# Altium PCB R100.230.040.000-00 Filtr2.PcbDoc (part 2 of 2)
Units mm, origin at the board's own origin, x right, y up, seen from the top; angles counter-clockwise.
Board outline 335 x 340 mm, 2 copper layers (Top, Bottom); 150 components, 79 nets, 411 pads, 1525 vias.
Unrouted connection lines stored in the file: 5.
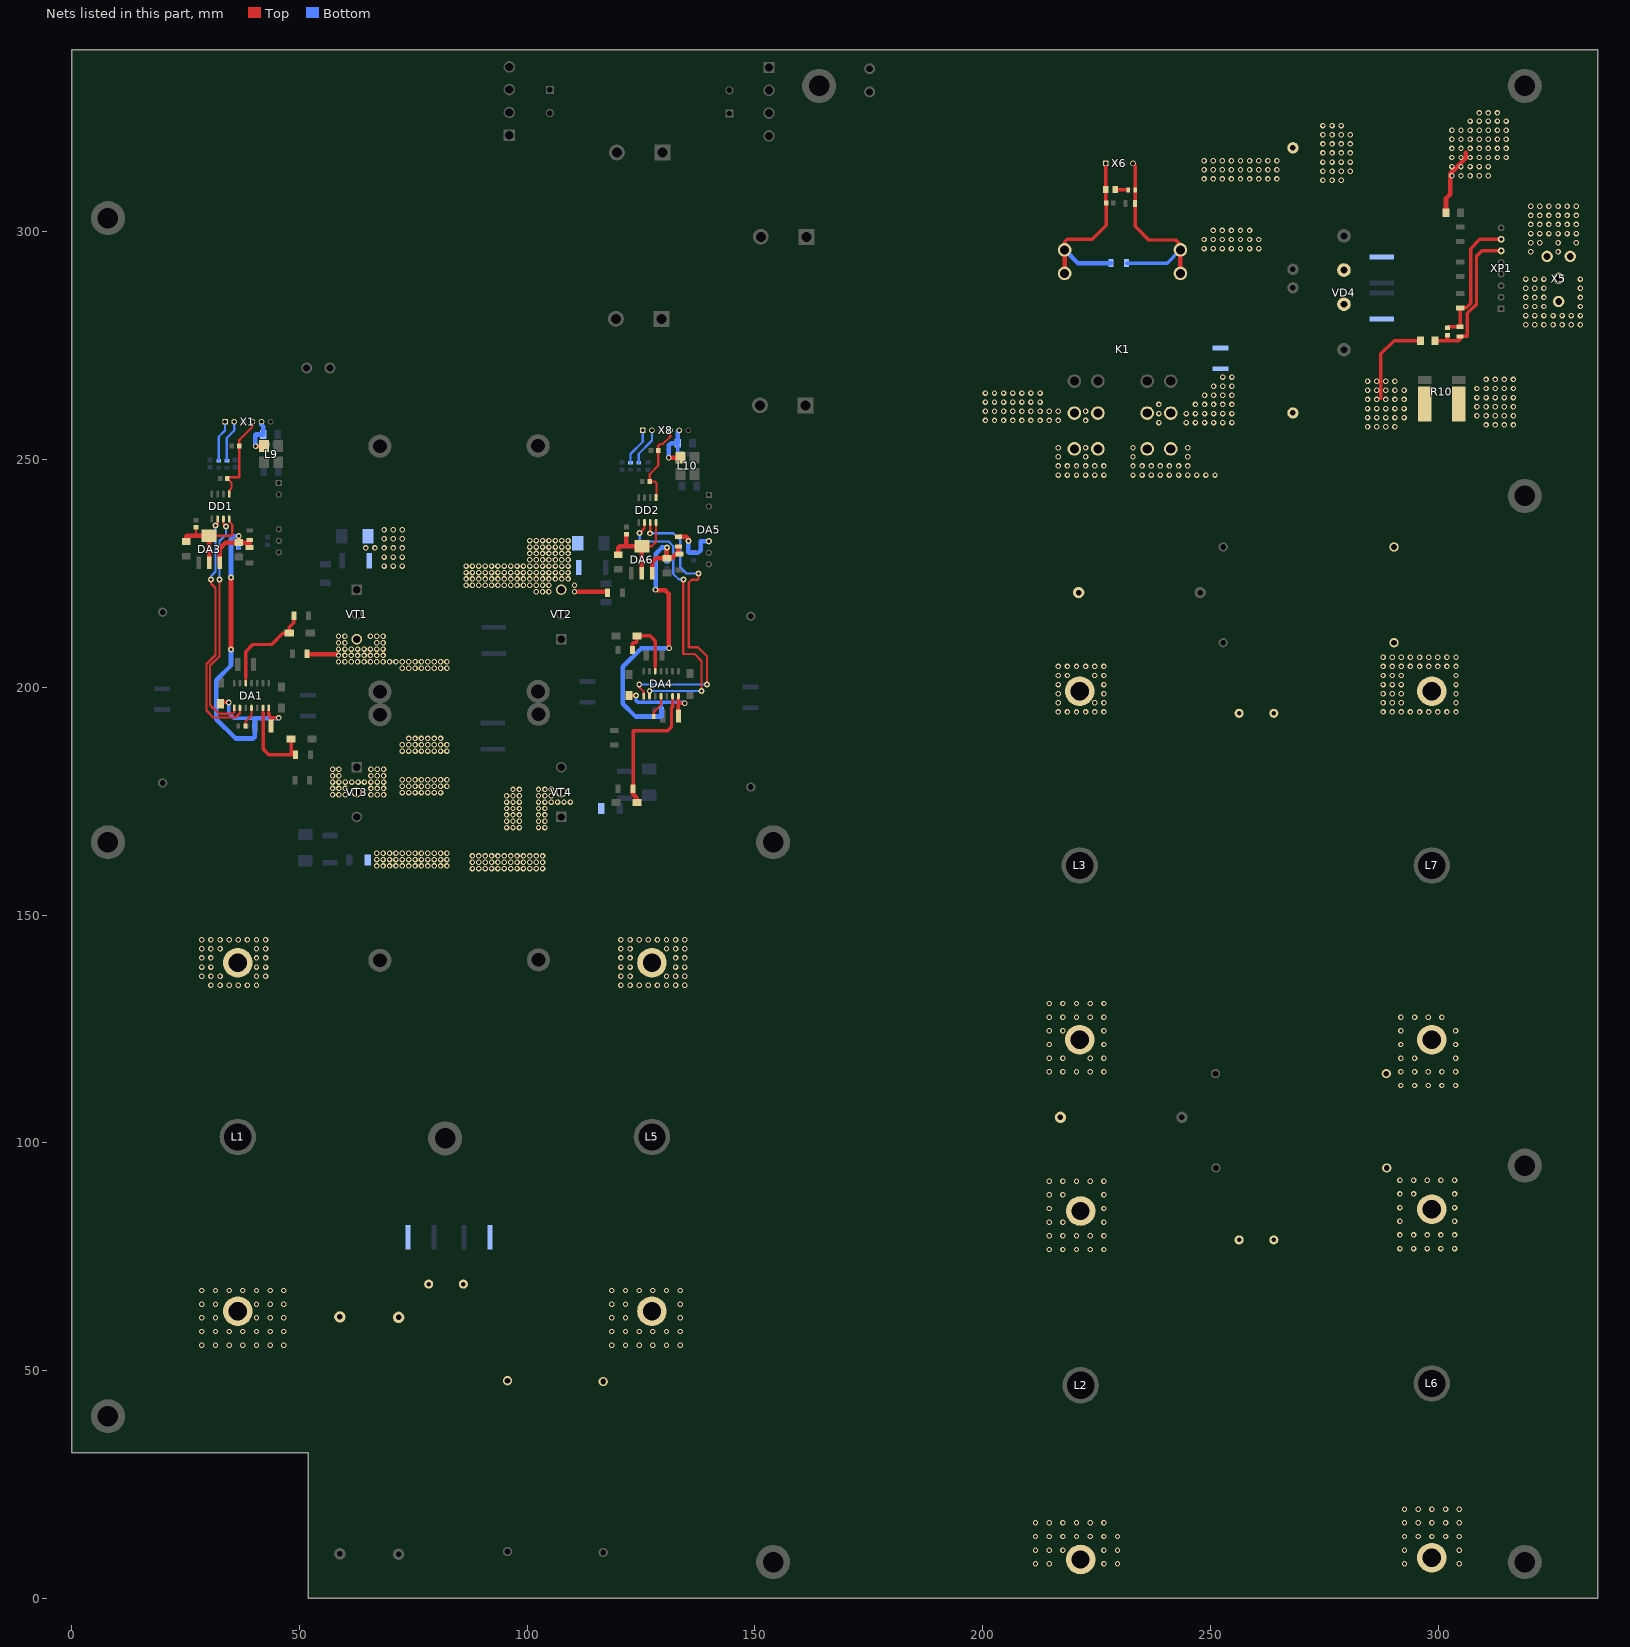
[diagram p2: the nets of this part, all layers, seen from the top]

## Via types
v1: diameter 1.2, hole 0.7, Top to Bottom, 1351 vias
v2: diameter 1.2/1.2 (per signal layer), hole 0.7, Top to Bottom, 133 vias
v3: diameter 1.27, hole 0.7, Top to Bottom, 40 vias
v4: diameter 3, hole 1.5, Top to Bottom, 1 vias

## Nets (pads, with @x,y where several pads share a name; then routed paths per layer and width w, separated by ;. In a path a pad name is that pad's centre, name@x,y a point inside that pad or via, vN(x,y) a via of type N, cw(c..) or ccw(c..) an arc to the next point about the centre after c; other vN are vias at no path point) (continued)
NetC58_2: C58.2 DA5.5 R29.1 | length 12.4
  Top w1: R29.1@133.2,233.05 134.95,233.05 135.4,232.6 v3(135.4,232.1)
  Bottom w1: v3(135.4,232.1) 135.4,229.7 135.6,229.5 C58.2@136.5,229.5 137.5,229.5 138.1,230.1 138.1,232.1 139.7,232.1 139.9,231.9 DA5.5@139.9,232.08
NetDA1_1: DA1.1 DD1.7 | length 49.7
  Top w0.5: 32.5,207 v3(32.5,223.7) ; 32.5,207 32.4,206.9 32.4,206.769 30.4,204.769 30.4,196.147 32.347,194.2 35.38,194.2 35.69,194.51 DA1.1@35.69,195.475 ; DD1.7@33.335,236.975 33.335,235.865 v3(33.9,235.3)
  Bottom w0.5: v3(32.5,223.7) 32.5,232.1 33.9,233.5 v3(33.9,235.3)
NetDA1_2: DA1.2 DD1.6 | length 53.5
  Top w0.5: v3(30.6,223.7) 30.6,222.8 31.6,221.8 31.6,207.1 29.6,205.1 29.6,194.9 31.1,193.4 36,193.4 36.96,194.36 DA1.2@36.96,195.475 ; v3(31.6,235.535) 32.065,236 DD1.6@32.065,236.975
  Bottom w0.5: v3(30.6,223.7) 30.6,224.4 31.6,225.4 v3(31.6,235.535) v3@31.665,235.535
NetDA1_4: DA1.4 R22.2 | length 4.5
  Top w0.5: R22.2@38.175,191.5 38.175,192.467 39.5,193.792 DA1.4@39.5,195.475
NetDA1_6: DA1.6 R23.1 VD13.2 | length 20.2
  Top w0.5: 42.04,194.46 DA1.6@42.04,195.475
  Top w0.75: 42.04,194.46 42.04,186.46 43.3,185.2 48.2,185.2 ; VD13.2@48.2,188.7 48.2,185.2 ; R23.1@49.2,185.2 48.2,185.2
NetDA1_12: DA1.12 R19.1 VD10.2 | length 22.4
  Top w0.5: DA1.12@38.23,200.925 38.23,202.17
  Top w0.75: 38.23,202.17 38.23,207.83 39.8,209.4 43.9,209.4 46.4,211.9 VD10.2@47.8,211.9 47.8,213.2 48.8,214.2 R19.1@48.8,215.7
NetDA4_1: DA4.1 DD2.7 | length 66.8
  Top w0.5: v3(124.6,200.6) 124.6,200 125.59,199.01 DA4.1@125.59,198.075 ; v3(127,233.8) 127.035,233.835 DD2.7@127.035,236.175 ; v3(137.6,225) 137.6,223.8 137.4,223.6 136.1,223.6 135.5,223 135.5,208.8 137.5,208.8 139.5,206.8 v3(139.5,200.6)
  Bottom w0.5: v3(124.6,200.6) v3(139.5,200.6) ; v3(127,233.8) 132.1,233.8 133.6,232.3 133.6,226.4 135,225 v3(137.6,225)
NetDA4_2: DA4.2 DD2.6 | length 61.2
  Top w0.5: v3(124.7,233.9) 125.765,234.965 DD2.6@125.765,236.175 ; DA4.2@126.86,198.075 126.9,198.115 v3(126.9,199.2) ; v3@134.3,223.8 v3(134.3,223.7) 134.3,207.3 136.8,207.3 138.3,205.8 v3(138.3,199.2)
  Bottom w0.5: v3(124.7,233.9) 124.7,232.5 125.2,232 131.076,232 132.1,230.976 132.1,224.9 133.3,223.7 v3(134.3,223.7) ; v3(126.9,199.2) v3(138.3,199.2)
NetDA4_4: DA4.4 R30.2 | length 5.1
  Top w0.5: R30.2@127.775,193.6 127.775,194.575 129.4,196.2 DA4.4@129.4,198.075
NetDA4_6: DA4.6 R31.1 VD18.2 | length 31.8
  Top w0.5: 131.94,196.84 DA4.6@131.94,198.075
  Top w0.75: R31.1@123.3,177.7 123.3,190.5 130.9,190.5 131.7,191.3 131.7,195.5 131.94,195.74 131.94,196.84
  Top w1: R31.1@123.2,177.7 123.2,176.6 124.1,175.7 VD18.2@124.1,174.7
NetDA4_12: DA4.12 R27.1 VD15.2 | length 15
  Top w0.5: DA4.12@128.13,203.525 128.13,204.57
  Top w0.75: R27.1@123.1,208.2 123.1,209.6 123.3,209.8 123.9,209.8 124.1,210 VD15.2@124.1,211.3 127,211.3 128.13,210.17 128.13,204.57
NetR10_3: R10.3 X5.3 X5.4
  other v1: 310.5,257.6 312.5,257.6 314.5,257.6 316.5,257.6 308.5,259.6 310.5,259.6 312.5,259.6 314.5,259.6 316.5,259.6 308.5,261.6 310.5,261.6 312.5,261.6 314.5,261.6 316.5,261.6 308.5,263.6 310.5,263.6 312.5,263.6 314.5,263.6 316.5,263.6 308.5,265.6 310.5,265.6 312.5,265.6 314.5,265.6 316.5,265.6 310.5,267.6 312.5,267.6 314.5,267.6 316.5,267.6 319.2,279.6 321.2,279.6 323.2,279.6 325.2,279.6 327.2,279.6 329.2,279.6 331.2,279.6 319.2,281.6 321.2,281.6 323.2,281.6 325.2,281.6 327.2,281.6 329.2,281.6 331.2,281.6 319.2,283.6 321.2,283.6 323.2,283.6 331.2,283.6 319.2,285.6 321.2,285.6 323.2,285.6 331.2,285.6 319.2,287.6 321.2,287.6 323.2,287.6 331.2,287.6 319.2,289.6 321.2,289.6 323.2,289.6 331.2,289.6
NetR15_2: R15.2 VD8.2 | length 2.5
  Top w0.75: VD8.2@229.341,309.3 229.441,309.2 R15.2@231.8,309.2
PWM_1: R17.1 X1.2 | length 9.2
  Bottom w0.5: R17.1@34.1,249.775 34.05,249.825 34.05,254.75 35.7,256.4 X1.2@35.7,258.3
PWM_2: R25.1 X8.2 | length 8.3
  Bottom w0.5: R25.1@124.5,249.275 124.5,251.3 127.4,254.2 X8.2@127.4,256.4
SD_1: R18.1 X1.1 | length 9.1
  Bottom w0.5: R18.1@32.3,249.775 32.3,255 33.7,256.4 X1.1@33.7,258.3
SD_2: R26.1 X8.1 | length 8.2
  Bottom w0.5: R26.1@122.7,249.275 122.7,251.2 125.4,253.9 X8.1@125.4,256.4
SW_REL_COM: K1.0 K1.10 R15.1 R16.1 VD9.1 X6.4 | length 44.9
  Top w0.75: X6.4@233,315 233.5,314.5 R15.1@233.5,309.35 ; R15.1@233.475,309.2 233.475,306.225 R16.1@233.45,306.2 233.45,301.25 236.5,298.2 242.4,298.2 243.4,297.2 K1.0@243.4,296.03 ; 243.3,293.4 243.4,293.3
  Top w1: K1.10@243.4,290.87 243.4,293.3 K1.0@243.4,296.03
  Bottom w0.75: VD9.1@231.625,293.1 240.47,293.1 K1.0@243.4,296.03
SW_REL_PLUS: C32.2 K1.1 K1.11 VD8.1 VD9.2 X6.1 | length 42.6
  Top w0.75: K1.1@218,296.03 218,297.8 218.6,298.4 224.1,298.4 227.1,301.4 C32.2@227.1,306.3 227.059,306.341 VD8.1@227.059,309.3 ; X6.1@227,315 227,309.558 VD8.1@227.259,309.3
  Top w1: K1.11@218,290.87 K1.1@218,296.03
  Bottom w1: K1.1@218,296.03 220.93,293.1 VD9.2@228.175,293.1
U_U+: C31.2 R13.1 R14.2 XP1.7 | length 29.3
  Top w0.75: C31.2@302,278.9 302.25,279.15 R14.2@304.8,279.15 R13.1@304.8,283.3 306.115,283.3 307.1,284.285 307.1,296.3 309.14,298.34 XP1.7@313.8,298.34
U_U-: C31.1 L8.2 R14.1 XP1.6 | length 33.3
  Top w0.75: L8.2@299.3,276.1 302,276.1 ; C31.1@302,277.3 302,276.1 ; XP1.6@313.8,295.8 309.6,295.8 308.4,294.6 308.4,284.1 306.4,282.1 306.4,277.05 R14.1@304.8,277.05 304.8,276.4 304.5,276.1 302,276.1
V5_C1: C39.2 C62.1 DD1.1 X1.4 | length 20.3
  Top w0.5: DD1.1@34.605,242.425 34.605,243.205 35.1,243.7 35.1,244.9 C39.2@34.2,245.8 34.2,246.1 36.8,246.1 C62.1@36.8,253 36.8,254.3 39.7,257.2 X1.4@39.7,258.3
V5_C2: C53.2 C63.1 DD2.1 X8.4 | length 18.3
  Top w0.5: DD2.1@128.305,241.625 128.385,241.705 128.385,244.815 128,245.2 C53.2@126.9,245.2 126.9,246.8 128.8,248.7 C63.1@128.8,252 128.8,253 129.2,253.4 129.8,253.4 131.4,255 X8.4@131.4,256.4
V5_DR_1: C37.2 C46.2 DA3.2 DA3.4 DD1.8 | length 23.1
  Top w0.5: C37.2@27.3,235.1 27.3,233.35 27.4,233.25 ; DA3.4@30.2,233.25 35.25,233.25 35.3,233.3 35.3,235.7 34.605,236.395 DD1.8@34.605,236.975
  Top w1: C46.2@25.2,232 25.2,233.2 25.25,233.25 27.4,233.25 DA3.4@30.2,233.25 DA3.2@30.2,227.35
V5_DR_2: C51.2 C60.2 DA6.2 DA6.4 DD2.8 | length 23.2
  Top w0.5: DA6.4@125.2,230.95 127.35,230.95 128.305,231.905 DD2.8@128.305,236.175
  Top w1: C60.2@120,229.1 120,230.6 120.35,230.95 121.7,230.95 ; C51.2@121.8,233.6 121.8,231.05 121.7,230.95 ; DA6.2@125.2,225.05 DA6.4@125.2,230.95 121.7,230.95
V12_C1: C40.2 C41.2 L9.1 X1.5 | length 11.9
  Top w1: v1(40.4,252.9) 42.103,252.9 42.203,253 L9.1@42.225,252.978
  Bottom w0.5: v1(40.4,252.9) 40.8,253.3 C41.2@42.9,253.3
  Bottom w1: v1(40.4,252.9) 40.3,253 40.3,255.4 40.4,255.5 C40.2@42.1,255.5 42.1,257.2 41.7,257.6 X1.5@41.7,258.3
V12_C2: C54.2 C57.2 L10.1 X8.5 | length 13.5
  Top w1: v3(131.1,250.4) 133.603,250.4 L10.1@133.625,250.378
  Bottom w0.75: C54.2@133.1,253.6 133.1,251.3 133.2,251.2 C57.2@133.9,251.2
  Bottom w1: v3(131.1,250.4) 131.1,253.1 131.6,253.6 C54.2@133.1,253.6 133.1,256.1 X8.5@133.4,256.4
V15_DR_1: C38.1 C43.2 C45.1 C47.2 DA1.7 DA3.3 R21.2 VD11.1 VD14.2 | length 94.8
  Top w0.5: 43.31,194.41 DA1.7@43.31,195.475
  Top w0.75: VD11.1@32.7,196.4 33,196.7 v3(34.5,196.7) ; 43.31,194.41 43.31,193.89 43.765,193.435 ; C45.1@43.765,191.5 43.765,193.435 ; v3(45.5,193.3) 43.9,193.3 43.765,193.435
  Top w1: DA3.3@32.5,227.35 32.5,230.4 33.8,231.7 36.45,231.7 36.525,231.625 C43.2@36.7,231.8 ; v3(35,208.3) v3(35,224.1) ; v3(36.7,233.2) C43.2@36.7,231.8 ; VD14.2@39.1,230.725 39.1,231.7 ; R21.2@39.1,232.35 39.1,231.7 ; C43.2@36.7,231.8 36.8,231.7 39.1,231.7
  Bottom w0.75: v3(34.5,196.7) 34.5,194.3 35.6,193.2 40.2,193.2
  Bottom w1: v3(35,208.3) 35,204.8 31.765,201.565 31.765,193.006 36.006,188.765 39.865,188.765 40.2,189.1 C38.1@40.2,191.5 40.2,193.2 45.4,193.2 v3(45.5,193.3) ; v3(35,224.1) 35,232.6 35.6,233.2 v3(36.7,233.2) C47.2@36.7,230.8
V15_DR_2: C52.1 C56.2 C59.1 C61.2 DA4.7 DA6.3 R29.2 VD16.1 VD19.2 | length 94.5
  Top w0.5: 133.21,197.31 DA4.7@133.21,198.075
  Top w0.75: VD16.1@122.4,198.2 v3(123.9,198.2) ; 133.21,197.31 133.21,196.5 ; C59.1@133.225,193.7 133.21,193.715 133.21,196.5 ; v3(134.6,196.5) 133.21,196.5
  Top w1: DA6.3@127.5,225.05 127.5,227.5 128.3,228.3 C56.2@130.7,228.3 ; v3(128.2,221.4) 128.3,221.3 130.3,221.3 131.1,220.5 131.1,208.699 v3(131.2,208.6) ; v3(130.7,230.7) C56.2@130.7,228.3 ; R29.2@133.2,230.95 133.2,229.425 VD19.2@133.4,229.225 132.625,229.225 131.7,228.3 C56.2@130.7,228.3
  Bottom w0.75: v3(123.9,198.2) 123.9,197.1 124.3,196.7 129.5,196.7 ; C52.1@129.5,195.1 129.5,196.7 ; v3(134.6,196.5) 134.4,196.7 129.5,196.7
  Bottom w1: v3(128.2,221.4) 128.2,229.3 129.6,230.7 v3(130.7,230.7) C61.2@130.7,227.7 ; C52.1@129.5,195.1 129.5,193.7 129.4,193.6 123.8,193.6 121,196.4 121,204.5 125.1,208.6 v3(131.2,208.6)
VOUT+: C6.2 C10.1 K1.8 K1.81 L4.1 R7.2 VD4.3 X5.1 X5.2 | length 14.9
  Top w1: L4.1@301.7,304.2 301.7,307.3 302.675,308.275 302.675,312.775 306,316.1 306,317.3
  other v1: 200.6,258.6 202.6,258.6 204.6,258.6 206.6,258.6 208.6,258.6 210.6,258.6 212.6,258.6 214.6,258.6 216.6,258.6 222.6,258.6 200.6,260.6 202.6,260.6 204.6,260.6 206.6,260.6 208.6,260.6 210.6,260.6 212.6,260.6 214.6,260.6 216.6,260.6 222.6,260.6 200.6,262.6 202.6,262.6 204.6,262.6 206.6,262.6 208.6,262.6 210.6,262.6 212.6,262.6 200.6,264.6 202.6,264.6 204.6,264.6 206.6,264.6 208.6,264.6 210.6,264.6 212.6,264.6 320.3,295.6 326.3,295.6 248.6,296.3 250.6,296.3 252.6,296.3 254.6,296.3 256.6,296.3 258.6,296.3 260.6,296.3 320.3,297.6 322.3,297.6 326.3,297.6 330.3,297.6 248.6,298.3 250.6,298.3 252.6,298.3 254.6,298.3 256.6,298.3 258.6,298.3 260.6,298.3 320.3,299.6 322.3,299.6 324.3,299.6 326.3,299.6 328.3,299.6 330.3,299.6 250.6,300.3 252.6,300.3 254.6,300.3 256.6,300.3 258.6,300.3 320.3,301.6 322.3,301.6 324.3,301.6 326.3,301.6 328.3,301.6 330.3,301.6 320.3,303.6 322.3,303.6 324.3,303.6 326.3,303.6 328.3,303.6 330.3,303.6 320.3,305.6 322.3,305.6 324.3,305.6 326.3,305.6 328.3,305.6 330.3,305.6 274.7,311.3 276.7,311.3 278.7,311.3 248.6,311.6 250.6,311.6 252.6,311.6 254.6,311.6 256.6,311.6 258.6,311.6 260.6,311.6 262.6,311.6 264.6,311.6 303,312.3 305,312.3 307,312.3 309,312.3 311,312.3 274.7,313.3 276.7,313.3 278.7,313.3 280.7,313.3 248.6,313.6 250.6,313.6 252.6,313.6 254.6,313.6 256.6,313.6 258.6,313.6 260.6,313.6 262.6,313.6 264.6,313.6 303,314.3 305,314.3 307,314.3 309,314.3 311,314.3 274.7,315.3 276.7,315.3 278.7,315.3 280.7,315.3 248.6,315.6 250.6,315.6 252.6,315.6 254.6,315.6 256.6,315.6 258.6,315.6 260.6,315.6 262.6,315.6 264.6,315.6 303,316.3 305,316.3 307,316.3 309,316.3 311,316.3 313,316.3 314.9,316.3 274.7,317.3 276.7,317.3 278.7,317.3 280.7,317.3 303,318.3 305,318.3 307,318.3 309,318.3 311,318.3 313,318.3 314.9,318.3 274.7,319.3 276.7,319.3 278.7,319.3 280.7,319.3 303,320.3 305,320.3 307,320.3 309,320.3 311,320.3 313,320.3 314.9,320.3 274.7,321.3 276.7,321.3 278.7,321.3 280.7,321.3 303,322.3 305,322.3 307,322.3 309,322.3 311,322.3 313,322.3 314.9,322.3 274.7,323.3 276.7,323.3 278.7,323.3 307,324.3 309,324.3 311,324.3 313,324.3 314.9,324.3 309,326.1 311,326.1 313,326.1
VOUT+_1: C9.2 K1.6 K1.61 L3.2 R6.2
  other v1: 216.6,194.6 218.6,194.6 220.6,194.6 222.6,194.6 224.6,194.6 226.6,194.6 216.6,196.6 224.6,196.6 226.6,196.6 216.6,198.6 226.6,198.6 216.6,200.6 226.6,200.6 216.6,202.6 218.6,202.6 224.6,202.6 226.6,202.6 216.6,204.6 218.6,204.6 220.6,204.6 222.6,204.6 224.6,204.6 226.6,204.6 216.6,246.6 218.6,246.6 220.6,246.6 222.6,246.6 224.6,246.6 226.6,246.6 216.6,248.6 218.6,248.6 220.6,248.6 222.6,248.6 224.6,248.6 226.6,248.6 216.6,250.6 222.6,250.6 216.6,252.6 222.6,252.6
VOUT+_2: C8.2 L2.2 L3.1 R5.2
  other v1: 214.6,76.6 217.6,76.6 220.6,76.6 223.6,76.6 226.6,76.6 214.6,79.6 217.6,79.6 220.6,79.6 223.6,79.6 226.6,79.6 214.6,82.6 217.6,82.6 226.6,82.6 214.6,85.6 226.6,85.6 214.6,88.6 217.6,88.6 226.6,88.6 214.6,91.6 217.6,91.6 220.6,91.6 223.6,91.6 226.6,91.6 214.6,115.6 217.6,115.6 220.6,115.6 223.6,115.6 226.6,115.6 214.6,118.6 217.6,118.6 223.6,118.6 226.6,118.6 214.6,121.6 226.6,121.6 214.6,124.6 217.6,124.6 226.6,124.6 214.6,127.6 217.6,127.6 220.6,127.6 223.6,127.6 226.6,127.6 214.6,130.6 217.6,130.6 220.6,130.6 223.6,130.6 226.6,130.6
VOUT+_3: C5.2 C7.2 L1.2 L2.1 R1.2 R4.2
  other v1: 211.6,7.6 214.6,7.6 226.6,7.6 229.6,7.6 211.6,10.6 214.6,10.6 217.6,10.6 226.6,10.6 229.6,10.6 211.6,13.6 214.6,13.6 217.6,13.6 220.6,13.6 223.6,13.6 226.6,13.6 229.6,13.6 211.6,16.6 214.6,16.6 217.6,16.6 220.6,16.6 223.6,16.6 226.6,16.6 28.6,55.6 31.6,55.6 34.6,55.6 37.6,55.6 40.6,55.6 43.6,55.6 46.6,55.6 28.6,58.6 31.6,58.6 34.6,58.6 37.6,58.6 40.6,58.6 43.6,58.6 46.6,58.6 28.6,61.6 31.6,61.6 40.6,61.6 43.6,61.6 46.6,61.6 28.6,64.6 31.6,64.6 40.6,64.6 43.6,64.6 46.6,64.6 28.6,67.6 31.6,67.6 34.6,67.6 37.6,67.6 40.6,67.6 43.6,67.6 46.6,67.6
VOUT+_4: C29.2 L1.1 R2.1 R20.2 VD2.2 VT1.3 VT3.2 | length 7.1
  Top w1: R20.2@51.7,207.4 51.8,207.3 58.3,207.3 v1(58.6,207)
  other v1: 30.6,134.6 32.6,134.6 34.6,134.6 36.6,134.6 38.6,134.6 40.6,134.6 28.6,136.6 30.6,136.6 32.6,136.6 40.6,136.6 42.6,136.6 28.6,138.6 30.6,138.6 40.6,138.6 42.6,138.6 28.6,140.6 30.6,140.6 40.6,140.6 42.6,140.6 28.6,142.6 30.6,142.6 32.6,142.6 40.6,142.6 42.6,142.6 28.6,144.6 30.6,144.6 32.6,144.6 34.6,144.6 36.6,144.6 38.6,144.6 40.6,144.6 42.6,144.6 67,160.8 68.4,160.8 69.8,160.8 71.2,160.8 72.6,160.8 74,160.8 75.4,160.8 76.8,160.8 78.2,160.8 79.6,160.8 81,160.8 82.4,160.8 67,162.2 68.4,162.2 69.8,162.2 71.2,162.2 72.6,162.2 74,162.2 75.4,162.2 76.8,162.2 78.2,162.2 79.6,162.2 81,162.2 82.4,162.2 67,163.6 68.4,163.6 69.8,163.6 71.2,163.6 72.6,163.6 74,163.6 75.4,163.6 76.8,163.6 78.2,163.6 79.6,163.6 81,163.6 82.4,163.6 57.3,176.4 58.7,176.4 60.1,176.4 65.7,176.4 67.1,176.4 68.5,176.4 72.6,176.9 74,176.9 75.4,176.9 76.8,176.9 78.2,176.9 79.6,176.9 81,176.9 57.3,177.8 58.7,177.8 60.1,177.8 65.7,177.8 67.1,177.8 68.5,177.8 72.6,178.3 74,178.3 75.4,178.3 76.8,178.3 78.2,178.3 79.6,178.3 81,178.3 82.4,178.3 57.3,179.2 58.7,179.2 60.1,179.2 61.5,179.2 62.9,179.2 64.3,179.2 65.7,179.2 67.1,179.2 68.5,179.2 72.6,179.7 74,179.7 75.4,179.7 76.8,179.7 78.2,179.7 79.6,179.7 81,179.7 82.4,179.7 57.3,180.6 58.7,180.6 65.7,180.6 67.1,180.6 68.5,180.6 57.3,182 58.7,182 65.7,182 67.1,182 68.5,182 72.6,186 74,186 75.4,186 76.8,186 78.2,186 79.6,186 81,186 82.4,186 72.6,187.4 74,187.4 75.4,187.4 76.8,187.4 78.2,187.4 79.6,187.4 81,187.4 82.4,187.4 74,188.8 75.4,188.8 76.8,188.8 78.2,188.8 79.6,188.8 81,188.8 72.6,204.2 74,204.2 75.4,204.2 76.8,204.2 78.2,204.2 79.6,204.2 81,204.2 82.4,204.2 58.6,205.6 60,205.6 61.4,205.6 62.8,205.6 64.2,205.6 65.6,205.6 67,205.6 68.4,205.6 69.8,205.6 71.2,205.6 72.6,205.6 74,205.6 75.4,205.6 76.8,205.6 78.2,205.6 79.6,205.6 81,205.6 82.4,205.6 60,207 61.4,207 62.8,207 64.2,207 65.6,207 67,207 68.4,207 58.6,208.4 60,208.4 61.4,208.4 62.8,208.4 64.2,208.4 65.6,208.4 67,208.4 68.4,208.4 58.6,209.8 60,209.8 67,209.8 68.4,209.8 58.6,211.2 60,211.2 65.6,211.2 67,211.2 68.4,211.2 68.6,226.6 70.6,226.6 72.6,226.6 68.6,228.6 70.6,228.6 72.6,228.6 64.6,230.6 66.6,230.6 68.6,230.6 70.6,230.6 72.6,230.6 68.6,232.6 70.6,232.6 72.6,232.6 68.6,234.6 70.6,234.6 72.6,234.6
VOUT-: C10.2 C25.1 C28.1 K1.4 K1.41 L8.1 R10.1 VD4.2 | length 19.6
  Top w0.75: 287.4,263.5 287.4,273.2 290.3,276.1 L8.1@296.1,276.1
  other v1: 284.5,257.2 286.5,257.2 288.5,257.2 290.5,257.2 238.7,258.1 244.7,258.1 246.7,258.1 248.7,258.1 250.7,258.1 252.7,258.1 254.7,258.1 284.5,259.2 286.5,259.2 288.5,259.2 290.5,259.2 292.5,259.2 238.7,260.1 244.7,260.1 246.7,260.1 248.7,260.1 250.7,260.1 252.7,260.1 254.7,260.1 284.5,261.2 286.5,261.2 288.5,261.2 290.5,261.2 292.5,261.2 238.7,262.1 246.7,262.1 248.7,262.1 250.7,262.1 252.7,262.1 254.7,262.1 284.5,263.2 286.5,263.2 288.5,263.2 290.5,263.2 292.5,263.2 248.7,264.1 250.7,264.1 252.7,264.1 254.7,264.1 284.5,265.2 286.5,265.2 288.5,265.2 290.5,265.2 292.5,265.2 250.7,266.1 252.7,266.1 254.7,266.1 284.5,267.2 286.5,267.2 288.5,267.2 290.5,267.2 252.7,268.1 254.7,268.1
VOUT-_1: C9.1 C22.1 C23.1 K1.2 K1.21 L7.1
  other v1: 287.9,194.6 289.9,194.6 291.9,194.6 293.9,194.6 295.9,194.6 297.9,194.6 299.9,194.6 301.9,194.6 303.9,194.6 287.9,196.6 289.9,196.6 291.9,196.6 303.9,196.6 287.9,198.6 289.9,198.6 291.9,198.6 303.9,198.6 287.9,200.6 289.9,200.6 291.9,200.6 303.9,200.6 287.9,202.6 289.9,202.6 291.9,202.6 303.9,202.6 287.9,204.6 289.9,204.6 291.9,204.6 293.9,204.6 295.9,204.6 297.9,204.6 299.9,204.6 301.9,204.6 303.9,204.6 287.9,206.6 289.9,206.6 291.9,206.6 293.9,206.6 295.9,206.6 297.9,206.6 299.9,206.6 301.9,206.6 303.9,206.6 233,246.6 235,246.6 237,246.6 239,246.6 241,246.6 243,246.6 245,246.6 247,246.6 249,246.6 251,246.6 233,248.6 235,248.6 237,248.6 239,248.6 241,248.6 243,248.6 245,248.6 233,250.6 245,250.6 233,252.6 245,252.6
VOUT-_2: C8.1 C20.1 C21.1 L6.1 L7.2
  other v1: 291.6,76.8 294.6,76.8 297.6,76.8 300.6,76.8 303.6,76.8 291.6,79.8 294.6,79.8 297.6,79.8 300.6,79.8 303.6,79.8 291.6,82.8 303.6,82.8 291.6,85.8 303.6,85.8 291.6,88.8 294.6,88.8 303.6,88.8 291.6,91.8 294.6,91.8 297.6,91.8 300.6,91.8 303.6,91.8 291.8,112.6 294.8,112.6 297.8,112.6 300.8,112.6 303.8,112.6 291.8,115.6 294.8,115.6 297.8,115.6 300.8,115.6 303.8,115.6 291.8,118.6 294.8,118.6 303.8,118.6 291.8,121.6 303.8,121.6 291.8,124.6 303.8,124.6 291.8,127.6 294.8,127.6 297.8,127.6 300.8,127.6
VOUT-_3: C7.1 C18.2 C19.1 C27.1 L5.1 L6.2
  other v1: 292.6,7.6 304.6,7.6 292.6,10.6 304.6,10.6 292.6,13.6 295.6,13.6 298.6,13.6 301.6,13.6 304.6,13.6 292.6,16.6 295.6,16.6 298.6,16.6 301.6,16.6 304.6,16.6 292.6,19.6 295.6,19.6 298.6,19.6 301.6,19.6 304.6,19.6 118.6,55.6 121.6,55.6 124.6,55.6 127.6,55.6 130.6,55.6 133.6,55.6 118.6,58.6 121.6,58.6 124.6,58.6 127.6,58.6 130.6,58.6 133.6,58.6 118.6,61.6 121.6,61.6 133.6,61.6 118.6,64.6 121.6,64.6 133.6,64.6 118.6,67.6 121.6,67.6 124.6,67.6 127.6,67.6 130.6,67.6 133.6,67.6
VOUT-_4: C26.2 L5.2 R3.1 R28.2 VD3.2 VT2.3 VT4.2 | length 7.4
  Top w1: v1(110.4,221) 117.5,221 R28.2@117.7,220.8
  other v1: 120.6,134.6 122.6,134.6 124.6,134.6 126.6,134.6 128.6,134.6 130.6,134.6 132.6,134.6 134.6,134.6 120.6,136.6 122.6,136.6 130.6,136.6 132.6,136.6 134.6,136.6 120.6,138.6 122.6,138.6 132.6,138.6 134.6,138.6 120.6,140.6 122.6,140.6 132.6,140.6 134.6,140.6 120.6,142.6 122.6,142.6 130.6,142.6 132.6,142.6 134.6,142.6 120.6,144.6 122.6,144.6 124.6,144.6 126.6,144.6 128.6,144.6 130.6,144.6 132.6,144.6 134.6,144.6 88,160.2 89.4,160.2 90.8,160.2 92.2,160.2 93.6,160.2 95,160.2 96.4,160.2 97.8,160.2 99.2,160.2 100.6,160.2 102,160.2 103.4,160.2 88,161.6 89.4,161.6 90.8,161.6 92.2,161.6 93.6,161.6 95,161.6 96.4,161.6 97.8,161.6 99.2,161.6 100.6,161.6 102,161.6 103.4,161.6 88,163 89.4,163 90.8,163 92.2,163 93.6,163 95,163 96.4,163 97.8,163 99.2,163 100.6,163 102,163 103.4,163 95.5,169.2 96.9,169.2 98.3,169.2 102.5,169.2 103.9,169.2 95.5,170.6 96.9,170.6 98.3,170.6 102.5,170.6 103.9,170.6 95.5,172 96.9,172 98.3,172 102.5,172 103.9,172 95.5,173.4 96.9,173.4 98.3,173.4 102.5,173.4 103.9,173.4 95.5,174.8 96.9,174.8 98.3,174.8 102.5,174.8 103.9,174.8 105.3,174.8 106.7,174.8 108.1,174.8 109.5,174.8 95.5,176.2 96.9,176.2 98.3,176.2 102.5,176.2 103.9,176.2 105.3,176.2 96.9,177.6 98.3,177.6 102.5,177.6 103.9,177.6 105.3,177.6 102,221 103.4,221 104.8,221 86.6,222.4 88,222.4 89.4,222.4 90.8,222.4 92.2,222.4 93.6,222.4 95,222.4 96.4,222.4 97.8,222.4 99.2,222.4 100.6,222.4 102,222.4 103.4,222.4 104.8,222.4 110.4,222.4 86.6,223.8 88,223.8 89.4,223.8 90.8,223.8 92.2,223.8 93.6,223.8 95,223.8 96.4,223.8 97.8,223.8 99.2,223.8 100.6,223.8 102,223.8 103.4,223.8 104.8,223.8 106.2,223.8 107.6,223.8 109,223.8 86.6,225.2 88,225.2 89.4,225.2 90.8,225.2 92.2,225.2 93.6,225.2 95,225.2 96.4,225.2 97.8,225.2 99.2,225.2 100.6,225.2 102,225.2 103.4,225.2 104.8,225.2 106.2,225.2 107.6,225.2 109,225.2 86.6,226.6 88,226.6 89.4,226.6 90.8,226.6 92.2,226.6 93.6,226.6 95,226.6 96.4,226.6 97.8,226.6 99.2,226.6 100.6,226.6 102,226.6 103.4,226.6 104.8,226.6 106.2,226.6 107.6,226.6 109,226.6 100.6,228 102,228 103.4,228 104.8,228 106.2,228 107.6,228 109,228 100.6,229.4 102,229.4 103.4,229.4 104.8,229.4 106.2,229.4 107.6,229.4 109,229.4 100.6,230.8 102,230.8 103.4,230.8 104.8,230.8 106.2,230.8 107.6,230.8 109,230.8 100.6,232.2 102,232.2 103.4,232.2 104.8,232.2 106.2,232.2 107.6,232.2 109,232.2
pads on no net: DA1.8 DA1.9 DA1.10 DA1.14 DA2.6 DA4.8 DA4.9 DA4.10 DA4.14 DA5.6 L1.3 L2.3 L3.3 L5.3 L6.3 L7.3 X6.2 X6.3

## Polygon pours and split planes (outlines as drawn)
NetR10_3 on Top "Top Overlay-No Net" (solid, pour order 132): 17 vertices, not listed, extent 303,252.6 333.5,291.6
N8 on Top "Top Overlay-No Net" (solid, pour order 122): 216.8,272.4 216.8,265.8 218.2,264.4 243.7,264.4 245.1,265.8 245.1,272.4 243.7,273.8 218.2,273.8
GND_SINK on Top "Top Overlay-No Net" (solid, pour order 64): 17 vertices, not listed, extent 48.4,248.9 110.5,275
+VIN_200 on Top "Top Overlay-No Net" (solid, pour order 28): 17 vertices, not listed, extent 57.2,214.4 68.5,222.9
+VIN_200 on Top "Top Overlay-No Net" (solid, pour order 74): 75.6,222.2 75.6,215.1 76.3,214.4 83,214.4 83.7,215.1 83.7,222.2 83,222.9 76.3,222.9
-VIN_200 on Top "Top Overlay-No Net" (solid, pour order 22): 17 vertices, not listed, extent 14.3,166.4 66.5,182.2
+VIN_200 on Top "Top Overlay-No Net" (solid, pour order 38): 14.1,220.3 14.1,215 15.5,213.6 27.4,213.6 28.8,215 28.8,220.4 27.5,221.7 15.5,221.7
-VIN_200 on Top "Top Overlay-No Net" (solid, pour order 44): 18 vertices, not listed, extent 125.5,174.818 174.601,225.8
+VIN_200 on Top "Top Overlay-No Net" (solid, pour order 46): 137.3,218.7 137.3,213 138,212.3 164,212.3 164.7,213 164.7,219.4 164.7,221.2 164,221.9 158.3,221.9 157.6,221.2 157.6,220.1 156.9,219.4 138,219.4
+VIN_200 on Top "Top Overlay-No Net" (solid, pour order 76): 39.1,222.3 39.1,215.4 40.5,214 45.1,214 46.5,215.4 46.5,218 47.2,218.7 53,218.7 53.9,219.6 53.9,223.6 54,223.7 45.5,223.7 40.5,223.7
GND_SINK on Top "Top Overlay-No Net" (solid, pour order 86): 63.7,141.9 63.7,137.9 65.1,136.5 105.2,136.5 106.7,138 106.7,141.9 105.3,143.3 65.1,143.3
VOUT+_4 on Top "Top Overlay-No Net" (solid, pour order 10): 56 vertices, not listed, extent 26.5,132.6 83.7,236.881
VOUT+_3 on Top "Top Overlay-No Net" (solid, pour order 88): 27 vertices, not listed, extent 26.5,3.8 231.9,71.5
VOUT-_4 on Top "Top Overlay-No Net" (solid, pour order 14): 30 vertices, not listed, extent 85.8,132.5 137.707,233.7
VOUT-_3 on Top "Top Overlay-No Net" (solid, pour order 92): 26 vertices, not listed, extent 84.2,3.8 306.1,71.5
N5 on Top "Top Overlay-No Net" (solid, pour order 96): 54.5,10.8 54.5,6.3 56.6,4.2 120,4.2 122.1,6.3 122.1,10.8 120,12.9 56.6,12.9
VOUT+_2 on Top "Top Overlay-No Net" (solid, pour order 100): 213.5,131.4 213.5,75.6 215.6,73.5 226.6,73.5 228.8,75.7 256.6,75.7 257.8,76.9 257.8,80.3 256.7,81.4 230.9,81.4 228.8,83.5 228.8,131.2 226.5,133.5 215.6,133.5
N6 on Top "Top Overlay-No Net" (solid, pour order 104): 240.8,116.2 240.8,92.6 243,90.4 253.4,90.4 255.6,92.6 255.6,116.1 253.4,118.3 242.9,118.3
VOUT-_2 on Top "Top Overlay-No Net" (solid, pour order 108): 306,75.7 306,127.9 303.81,130.09 284.496,130.09 282.2,127.804 282.2,83.5 280.1,81.4 263.4,81.4 262.2,80.2 262.2,76.8 263.4,75.6 279.9,75.6 282.2,73.3 303.6,73.3
VOUT- on Top "Top Overlay-No Net" (solid, pour order 128): 232.5,262.6 232.5,257.4 233.2,256.7 248.1,256.7 249.9,254.9 291.7,254.9 293.5,256.7 295.2,258.4 298.5,258.4 298.5,266 295.2,266 291.8,269.4 250.5,269.4 244.4,263.3 233.2,263.3
GND on Top "Top Overlay-No Net" (solid, pour order 140): 293.4,279.7 293.4,295.3 300.7,295.3 300.7,279.6 300,278.9 294.2,278.9
GND on Top "Top Overlay-No Net" (solid, pour order 142): 91.1,338.8 91.1,330 91.8,329.3 157.7,329.3 159.1,327.9 159.1,325.8 160.5,324.4 176.1,324.4 177.5,325.8 177.5,329.3 177.5,338.4 176.4,339.5 91.8,339.5
N9 on Top "Top Overlay-No Net" (solid, pour order 146): 265,293.9 265,286 265.7,285.3 270.4,285.3 271.1,286 271.1,293.9 270.4,294.6 265.7,294.6
VOUT+ on Top "Top Overlay-No Net" (solid, pour order 152): 246.8,309.8 281,309.8 282.5,311.3 282.5,323.2 281,324.7 248.3,324.7 246.8,323.2
VOUT+ on Top "Top Overlay-No Net" (solid, pour order 154): 17 vertices, not listed, extent 300.8,292.7 333.6,328.1
VOUT+ on Top "Top Overlay-No Net" (solid, pour order 150): 22 vertices, not listed, extent 198.3,256.7 262.1,301.7
VOUT+_1 on Top "Top Overlay-No Net" (solid, pour order 156): 213.9,192.9 213.9,254 215.3,255.4 227.7,255.4 229.1,254 229.1,198.1 230.6,196.6 257.2,196.6 258.1,195.7 258.1,192.7 256.9,191.5 230,191.5 215.3,191.5
VOUT-_1 on Top "Top Overlay-No Net" (solid, pour order 158): 24 vertices, not listed, extent 231.5,191.5 306,255.4
-VIN_200 on Top "Top Overlay-No Net" (solid, pour order 40): 100.8,186.5 100.8,182.2 102.2,180.8 120.9,180.8 120.9,187.9 102.2,187.9
-VIN_200 on Top "Top Overlay-No Net" (solid, pour order 32): 44 vertices, not listed, extent 91.7,224.1 174.6,327.4
+VIN_200 on Top "Top Overlay-No Net" (solid, pour order 36): 18 vertices, not listed, extent 100.6,212.3 127.8,218.4
+VIN_200 on Top "Top Overlay-No Net" (solid, pour order 160): 40 vertices, not listed, extent 125.9,244 164.7,327.9
GND_SINK on Top "Top Overlay-No Net" (solid, pour order 166): 0.5,332.55 5.485,332.55 5.485,328.1 0.5,328.1
GND_SINK on Top "Top Overlay-No Net" (solid, pour order 170): 0.269,284.525 5.569,284.525 5.569,280.075 0.269,280.075
GND_SINK on Top "Top Overlay-No Net" (solid, pour order 168): 0.5,339 5.5,339 5.5,337.2 20.1,337.2 20.1,330.7 19.3,330.7 19.3,336.3 5.5,336.3 5.5,334.6 0.5,334.6
GND_SINK on Top "Top Overlay-No Net" (solid, pour order 172): 0.185,277.85 5.5,277.85 5.5,276.1 19.5,276.1 19.5,281.7 20.2,281.7 20.2,275.2 5.5,275.2 5.5,273.4 0.185,273.4
GND on Top "Top Overlay-No Net" (solid, pour order 188): 185.5,339.5 185.5,332.7 189.9,332.7 189.9,339.5
no net on Top "Top Overlay-No Net" (solid, pour order 190): 185.5,259.7 185.5,252.9 189.9,252.9 189.9,259.7
no net on Top "Top Overlay-No Net" (solid, pour order 192): 185.3,211 185.3,204.2 189.7,204.2 189.7,211
no net on Top "Top Overlay-No Net" (solid, pour order 194): 177.3,200 177.3,193.2 181.7,193.2 181.7,200
no net on Top "Top Overlay-No Net" (solid, pour order 196): 177,142.4 177,135.6 181.4,135.6 181.4,142.4
no net on Top "Top Overlay-No Net" (solid, pour order 198): 177,84.7 177,77.9 181.4,77.9 181.4,84.7
no net on Top "Top Overlay-No Net" (solid, pour order 200): 157.4,63.5 157.4,56.7 161.8,56.7 161.8,63.5
no net on Top "Top Overlay-No Net" (solid, pour order 202): 134.4,11.3 134.4,4.5 138.8,4.5 138.8,11.3
GND on Bottom "Top Overlay-No Net" (solid, pour order 184): 91,338.8 91,330 91.7,329.3 157.4,329.3 158.1,330 158.1,338.8 157.4,339.5 91.7,339.5
GND_SINK on Bottom "Top Overlay-No Net" (solid, pour order 180): 0.49,277.825 5.475,277.825 5.475,273.375 0.49,273.375
GND_SINK on Bottom "Top Overlay-No Net" (solid, pour order 178): 0.49,284.525 5.475,284.525 5.475,280.075 0.49,280.075
GND_SINK on Bottom "Top Overlay-No Net" (solid, pour order 176): 0.49,339 5.475,339 5.475,334.6 0.49,334.6
GND_SINK on Bottom "Top Overlay-No Net" (solid, pour order 174): 0.49,332.525 5.475,332.525 5.475,328.075 0.49,328.075
NetR10_3 on Bottom "Top Overlay-No Net" (solid, pour order 130): 306.3,258.3 306.3,266.2 310.1,270 315,270 317,272 317,289.9 318.4,291.3 332.1,291.3 333.5,289.9 333.5,257.1 331.3,254.9 309.7,254.9
VOUT-_1 on Bottom "Top Overlay-No Net" (solid, pour order 124): 23 vertices, not listed, extent 231.5,191.5 305.9,255.4
N8 on Bottom "Top Overlay-No Net" (solid, pour order 120): 216.8,272.4 216.8,265.8 218.2,264.4 243.7,264.4 245.1,265.8 245.1,272.4 243.7,273.8 218.2,273.8
N7 on Bottom "Top Overlay-No Net" (solid, pour order 112): 244.1,232.3 254.8,232.3 256.9,230.2 256.9,208.3 254.7,206.1 244.2,206.1 242,208.3 242,230.2
VOUT-_2 on Bottom "Top Overlay-No Net" (solid, pour order 110): 282.2,127.7 282.2,83.5 280.2,81.5 263.5,81.5 262.2,80.2 262.2,76.9 263.45,75.65 273.5,75.65 279.85,75.65 282.2,73.3 303.6,73.3 305.9,75.6 305.9,128 303.7,130.2 284.7,130.2
+VIN_200 on Bottom "Top Overlay-No Net" (solid, pour order 24): 96 vertices, not listed, extent 14.1,197.6 164.7,327.4
-VIN_200 on Bottom "Top Overlay-No Net" (solid, pour order 20): 68 vertices, not listed, extent 14.3,166.4 174.5,241.6
N3 on Bottom "Top Overlay-No Net" (solid, pour order 80): 115.1,234 115.1,222.5 115.8,221.8 119.2,221.8 119.9,222.5 119.9,234 119.2,234.7 115.8,234.7
N1 on Bottom "Top Overlay-No Net" (solid, pour order 78): 53.8,236 53.8,227 54.5,226.3 59.8,226.3 60.5,227 60.5,236 59.8,236.7 54.5,236.7
VOUT+_4 on Bottom "Top Overlay-No Net" (solid, pour order 72): 63.6,236 63.6,226.6 64.3,225.9 73.9,225.9 74.6,226.6 74.6,236 73.9,236.7 64.3,236.7
GND_SINK on Bottom "Top Overlay-No Net" (solid, pour order 66): 17 vertices, not listed, extent 48.3,248.8 110.4,275
GND_SINK on Bottom "Top Overlay-No Net" (solid, pour order 58): 18 vertices, not listed, extent 64.9,190.8 109.7,208.5
N4 on Bottom "Top Overlay-No Net" (solid, pour order 56): 119.6,171.9 119.6,176.9 120.3,177.6 128.4,177.6 129.1,176.9 129.1,171.9 128.4,171.2 120.3,171.2
-VIN_200 on Bottom "Top Overlay-No Net" (solid, pour order 30): 37 vertices, not listed, extent 91.7,224.1 154.9,327.4
VOUT+_4 on Bottom "Top Overlay-No Net" (solid, pour order 48): 19 vertices, not listed, extent 56.5,175.5 83.707,190.7
VOUT+_4 on Bottom "Top Overlay-No Net" (solid, pour order 16): 57.5,204 63.6,204 70.1,204 71.6,202.5 83,202.5 83.7,203.2 83.7,210.6 82.3,212 58.2,212 56.8,210.6 56.8,204.7
VOUT-_4 on Bottom "Top Overlay-No Net" (solid, pour order 34): 101.1,220.2 111.4,220.2 112.8,221.6 112.8,233 111.4,234.4 100.7,234.4 99.3,233 87.2,233 85.8,231.6 85.8,222.3 86.7,221.4 99.9,221.4
VOUT+_4 on Bottom "Top Overlay-No Net" (solid, pour order 82): 19 vertices, not listed, extent 26.5,132.5 83.6,164.3
GND_SINK on Bottom "Top Overlay-No Net" (solid, pour order 84): 63.7,141.9 63.7,137.9 65.1,136.5 71.4,136.5 73.6,134.3 73.6,110.1 90.9,110.1 90.9,134.2 93.2,136.5 105.3,136.5 106.7,137.9 106.7,141.9 105.3,143.3 65.1,143.3
VOUT-_4 on Bottom "Top Overlay-No Net" (solid, pour order 50): 27 vertices, not listed, extent 85.8,132.5 137.7,178.7
VOUT+_3 on Bottom "Top Overlay-No Net" (solid, pour order 90): 35 vertices, not listed, extent 26.5,3.7 231.9,84
VOUT-_3 on Bottom "Top Overlay-No Net" (solid, pour order 94): 38 vertices, not listed, extent 84.3,3.9 306.2,84
N5 on Bottom "Top Overlay-No Net" (solid, pour order 98): 54.5,10.8 54.5,6.3 56.6,4.2 120,4.2 122.1,6.3 122.1,10.8 120,12.9 56.6,12.9
VOUT+_2 on Bottom "Top Overlay-No Net" (solid, pour order 102): 215.6,133.6 226.7,133.6 228.8,131.5 228.8,83.5 230.9,81.4 256.7,81.4 257.8,80.3 257.8,76.7 256.701,75.601 228.8,75.6 226.7,73.5 215.6,73.5 213.5,75.6 213.5,131.5
N6 on Bottom "Top Overlay-No Net" (solid, pour order 106): 242.8,118.3 253.5,118.3 255.6,116.2 255.6,92.6 253.4,90.4 242.9,90.4 240.7,92.6 240.7,116.2
VOUT+ on Bottom "Top Overlay-No Net" (solid, pour order 118): 58 vertices, not listed, extent 198.3,256.7 333.6,328.063
GND on Bottom "Top Overlay-No Net" (solid, pour order 138): 19 vertices, not listed, extent 284.6,278.9 300.7,295.3
VOUT- on Bottom "Top Overlay-No Net" (solid, pour order 126): 36 vertices, not listed, extent 232.5,254.9 295.1,287
N9 on Bottom "Top Overlay-No Net" (solid, pour order 148): 265,293.9 265,286 265.7,285.3 270.4,285.3 271.1,286 271.1,293.9 270.4,294.6 265.7,294.6
VOUT+_1 on Bottom "Top Overlay-No Net" (solid, pour order 116): 213.9,254 213.9,192.9 215.3,191.5 256.9,191.5 258.1,192.7 258.1,195.8 257.3,196.6 230.5,196.6 229.1,198 229.1,254 227.7,255.4 215.3,255.4
N2 on Bottom "Top Overlay-No Net" (solid, pour order 68): 48.4,163.6 48.4,159.7 49.1,159 61,159 61.7,159.7 61.7,163.6 61.5,163.8 48.6,163.8
GND_SINK on Bottom "Top Overlay-No Net" (solid, pour order 144): 18 vertices, not listed, extent 73,74.3 91.3,138.1
no net on Bottom Solder "Top Overlay-No Net" (solid): 66 vertices, not listed, extent 14.5,212.8 164.3,327.5
no net on Bottom Solder "Top Overlay-No Net" (solid): 38 vertices, not listed, extent 14.8,167 174.1,241.4
no net on Bottom Solder "Top Overlay-No Net" (solid): 40 vertices, not listed, extent 92.5,224.4 154.4,327
no net on Bottom Solder "Top Overlay-No Net" (solid): 0.5,339 0.5,334.6 5.5,334.6 5.5,339 0.5,339
no net on Bottom Solder "Top Overlay-No Net" (solid): 0.5,332.5 0.5,328.1 5.4,328.1 5.4,332.5
no net on Bottom Solder "Top Overlay-No Net" (solid): 92,338.1 92,330.8 92.9,329.9 155.1,329.9 155.9,330.7 155.9,338.2 155.1,339 92.9,339
no net on Bottom Solder "Top Overlay-No Net" (solid): 65,209.7 65,205 65.7,204.3 70.9,204.3 72,203.2 82.5,203.2 83.2,203.9 83.2,209.8 83.2,210.9 82.3,211.8 71,211.8 69.7,210.5 65.8,210.5
no net on Bottom Solder "Top Overlay-No Net" (solid): 66.3,183.1 66.3,176.3 67.1,175.5 82.5,175.5 83.2,176.2 83.2,189 82.6,189.6 72.8,189.6 71.9,188.7 71.9,185.3 70.5,183.9 67.1,183.9
no net on Bottom Solder "Top Overlay-No Net" (solid): 19 vertices, not listed, extent 27.4,133.4 80.8,159.6
no net on Bottom Solder "Top Overlay-No Net" (solid, pour order 186): 30 vertices, not listed, extent 27.5,4.9 230.9,70.1
no net on Bottom Solder "Top Overlay-No Net" (solid): 215.7,74 226.4,74 228.4,76 228.4,130.8 226.2,133 215.8,133 213.9,131.1 213.9,75.8
no net on Bottom Solder "Top Overlay-No Net" (solid): 214.6,193.395 214.6,253.6 215.7,254.7 227.4,254.7 228.4,253.7 228.4,193.405 227.338,192.343 215.665,192.343
no net on Bottom Solder "Top Overlay-No Net" (solid): 22 vertices, not listed, extent 198.9,257.2 261.6,301.3
no net on Bottom Solder "Top Overlay-No Net" (solid): 247.5,323 247.5,311.6 248.6,310.5 280.8,310.5 281.8,311.5 281.8,323.1 280.8,324.1 248.6,324.1
no net on Bottom Solder "Top Overlay-No Net" (solid): 17 vertices, not listed, extent 87.8,133.3 136.9,158.8
no net on Bottom Solder "Top Overlay-No Net" (solid): 30 vertices, not listed, extent 85.4,4.8 305.4,70.9
no net on Bottom Solder "Top Overlay-No Net" (solid): 283.2,76.2 283.2,127.1 285.1,129 303.3,129 305,127.3 305,75.9 303.4,74.3 285.1,74.3
no net on Bottom Solder "Top Overlay-No Net" (solid): 19 vertices, not listed, extent 232.2,192.8 305,254.7
no net on Bottom Solder "Top Overlay-No Net" (solid): 233.7,262.9 233.7,257.2 248.8,257.2 250.2,255.8 291.2,255.8 294.4,259 294.4,265.5 291.1,268.8 251,268.8 245.1,262.9
no net on Bottom Solder "Top Overlay-No Net" (solid): 307.3,266 307.3,258.8 310.3,255.8 330.9,255.8 332.4,257.3 332.4,290.2 331.5,291.1 319.1,291.1 318,290 318,270.8 316.2,269 310.3,269
no net on Bottom Solder "Top Overlay-No Net" (solid): 301.9,322.7 301.9,311.8 303.1,310.6 315.7,310.6 318,308.3 318,294.5 319.5,293 331.5,293 332.5,294 332.5,322.4 330.9,324 303.2,324
no net on Top Solder "Top Overlay-No Net" (solid): 306.1,326.7 306.1,317.7 306.5,317.3 315.5,317.3 315.9,317.7 315.9,326.1 313.9,328.1 307.5,328.1
no net on Top Solder "Top Overlay-No Net" (solid): 308.7,268.7 317.9,268.7 317.9,255.2 309.5,255.2 306.1,258.6 306.1,266.1
no net on Top Solder "Top Overlay-No Net" (solid): 0.5,339 0.5,334.6 5.5,334.6 5.5,339
no net on Top Solder "Top Overlay-No Net" (solid): 0.5,332.5 0.5,328.1 5.4,328.1 5.4,332.5
no net on Top Solder "Top Overlay-No Net" (solid): 185.5,259.7 185.5,252.9 189.9,252.9 189.9,259.7
GND on Top Solder "Top Overlay-No Net" (solid): 185.6,339.6 185.6,332.8 190,332.8 190,339.6
no net on Top Solder "Top Overlay-No Net" (solid): 185.3,211.1 185.3,204.3 189.7,204.3 189.7,211.1
no net on Top Solder "Top Overlay-No Net" (solid): 177.2,199.9 177.2,193.1 181.6,193.1 181.6,199.9
no net on Top Solder "Top Overlay-No Net" (solid): 177.2,142.5 177.2,135.7 181.6,135.7 181.6,142.5
no net on Top Solder "Top Overlay-No Net" (solid): 177.2,84.7 177.2,77.9 181.6,77.9 181.6,84.7
no net on Top Solder "Top Overlay-No Net" (solid): 157.3,63.5 157.3,56.7 161.7,56.7 161.7,63.5
no net on Top Solder "Top Overlay-No Net" (solid): 134.4,11.1 134.4,4.3 138.8,4.3 138.8,11.1

## Silkscreen, mask and mechanical layers (free items; w line width, h text height)
Top Overlay:
  circle w0.254: c8,303 r4.504
  rectangle: 21.1,297.4 60,309.1
  rectangle: 65,255.6 105,270.6
  lines w0.127: 134.525,225 134.6,224.925 134.6,222.9 135.4,222.1 140.9,222.1
  text "U" at 6.5,337.8 h1.52
  text "h = 70 um" at 24.1,336.3 h1.52
  text "l = 960 mm" at 24.1,332.9 h1.52
  text "R = 0,125 Om" at 51.6,332.7 h1.52
  text "I" at 6.5,332 h1.52
  text "OLTEST 4.05.2018" at 20.8,319.2 h2.54
  text "R100.220.020.000" at 20.8,314.7 h2.54
  text "SourceBoard_v1" at 20.8,310.2 h2.54
  text "I" at 6.5,283.8 h1.52
  text "U" at 6.5,276.6 h1.52
Bottom Overlay:
  text "R100.220.020.001" at 61,315.5 h2.54
  text "SourceBoard_v1" at 61,311 h2.54
Top Solder:
  rectangle: 0.5,273.4 5.5,277.9
  rectangle: 0.4,280 5.7,284.6
Bottom Solder:
  rectangle: 0.5,273.4 5.5,277.9
  rectangle: 0.4,280 5.8,284.6
Board:
  the board outline again, w0.254

## Dimensions
52,0 to 0,340 on Mechanical 16
52,0 to 8,40 on Mechanical 16
8,40 to 82,101 on Mechanical 16
8,166 to 8,303 on Mechanical 16
0,32 to 36.5,101.3 on Mechanical 16
0,340 to 8,40 on Mechanical 16
8,347 to 164.1,332 on Mechanical 16
164.1,332 to 319,8 on Mechanical 16
335,0 to 154,8 on Mechanical 16
335,0 to 319,95 on Mechanical 16
335.381,0 to 319,242 on Mechanical 16
335.381,0 to 319,332 on Mechanical 16
0,340 to 335,340 on Mechanical 16

## Text inside footprints (layer, text, board x,y; h text height)
VD1: Top Overlay "+" at 144.75,333.225 h1.02 r180
VD2: Bottom Overlay "+" at 57.131,233.456 h0.76 r180
VD3: Bottom Overlay "+" at 119.069,231.344 h0.76
VD5: Bottom Overlay "+" at 126.544,174.131 h0.76 r270
VD6: Bottom Overlay "+" at 51.044,159.731 h0.76 r270
VD7: Top Overlay "+" at 104.65,323.875 h1.02
VD8: Top Overlay "+" at 225.6,308.95 h0.76
VD9: Bottom Overlay "+" at 233.225,292.775 h0.76
VD10: Top Overlay "+" at 54.15,212.275 h0.76 r180
VD11: Top Overlay "+" at 33.075,194.65 h0.76 r90
VD12: Top Overlay "+" at 46.475,193.75 h0.76 r90
VD13: Top Overlay "+" at 54.55,189.075 h0.76 r180
VD14: Top Overlay "+" at 39.425,225.675 h0.76 r90
VD15: Top Overlay "+" at 117.75,210.925 h0.76
VD16: Top Overlay "+" at 122.775,196.45 h0.76 r90
VD17: Top Overlay "+" at 136.175,196.65 h0.76 r90
VD18: Top Overlay "+" at 117.75,174.325 h0.76
VD19: Top Overlay "+" at 133.725,224.175 h0.76 r90
VT1: Top Overlay "E" at 58.025,211.058 h1.5 r270; Top Overlay "C" at 58.025,216.508 h1.5 r270; Top Overlay "G" at 58.025,221.45 h1.5 r270
VT2: Top Overlay "E" at 112.075,220.942 h1.5 r90; Top Overlay "C" at 112.075,215.492 h1.5 r90; Top Overlay "G" at 112.075,210.55 h1.5 r90
VT3: Top Overlay "E" at 58.025,172.058 h1.5 r270; Top Overlay "C" at 58.025,177.508 h1.5 r270; Top Overlay "G" at 58.025,182.45 h1.5 r270
VT4: Top Overlay "E" at 112.075,181.942 h1.5 r90; Top Overlay "C" at 112.075,176.492 h1.5 r90; Top Overlay "G" at 112.075,171.55 h1.5 r90